# Altium PCB PCB.PcbDoc (part 5 of 10) (continued)
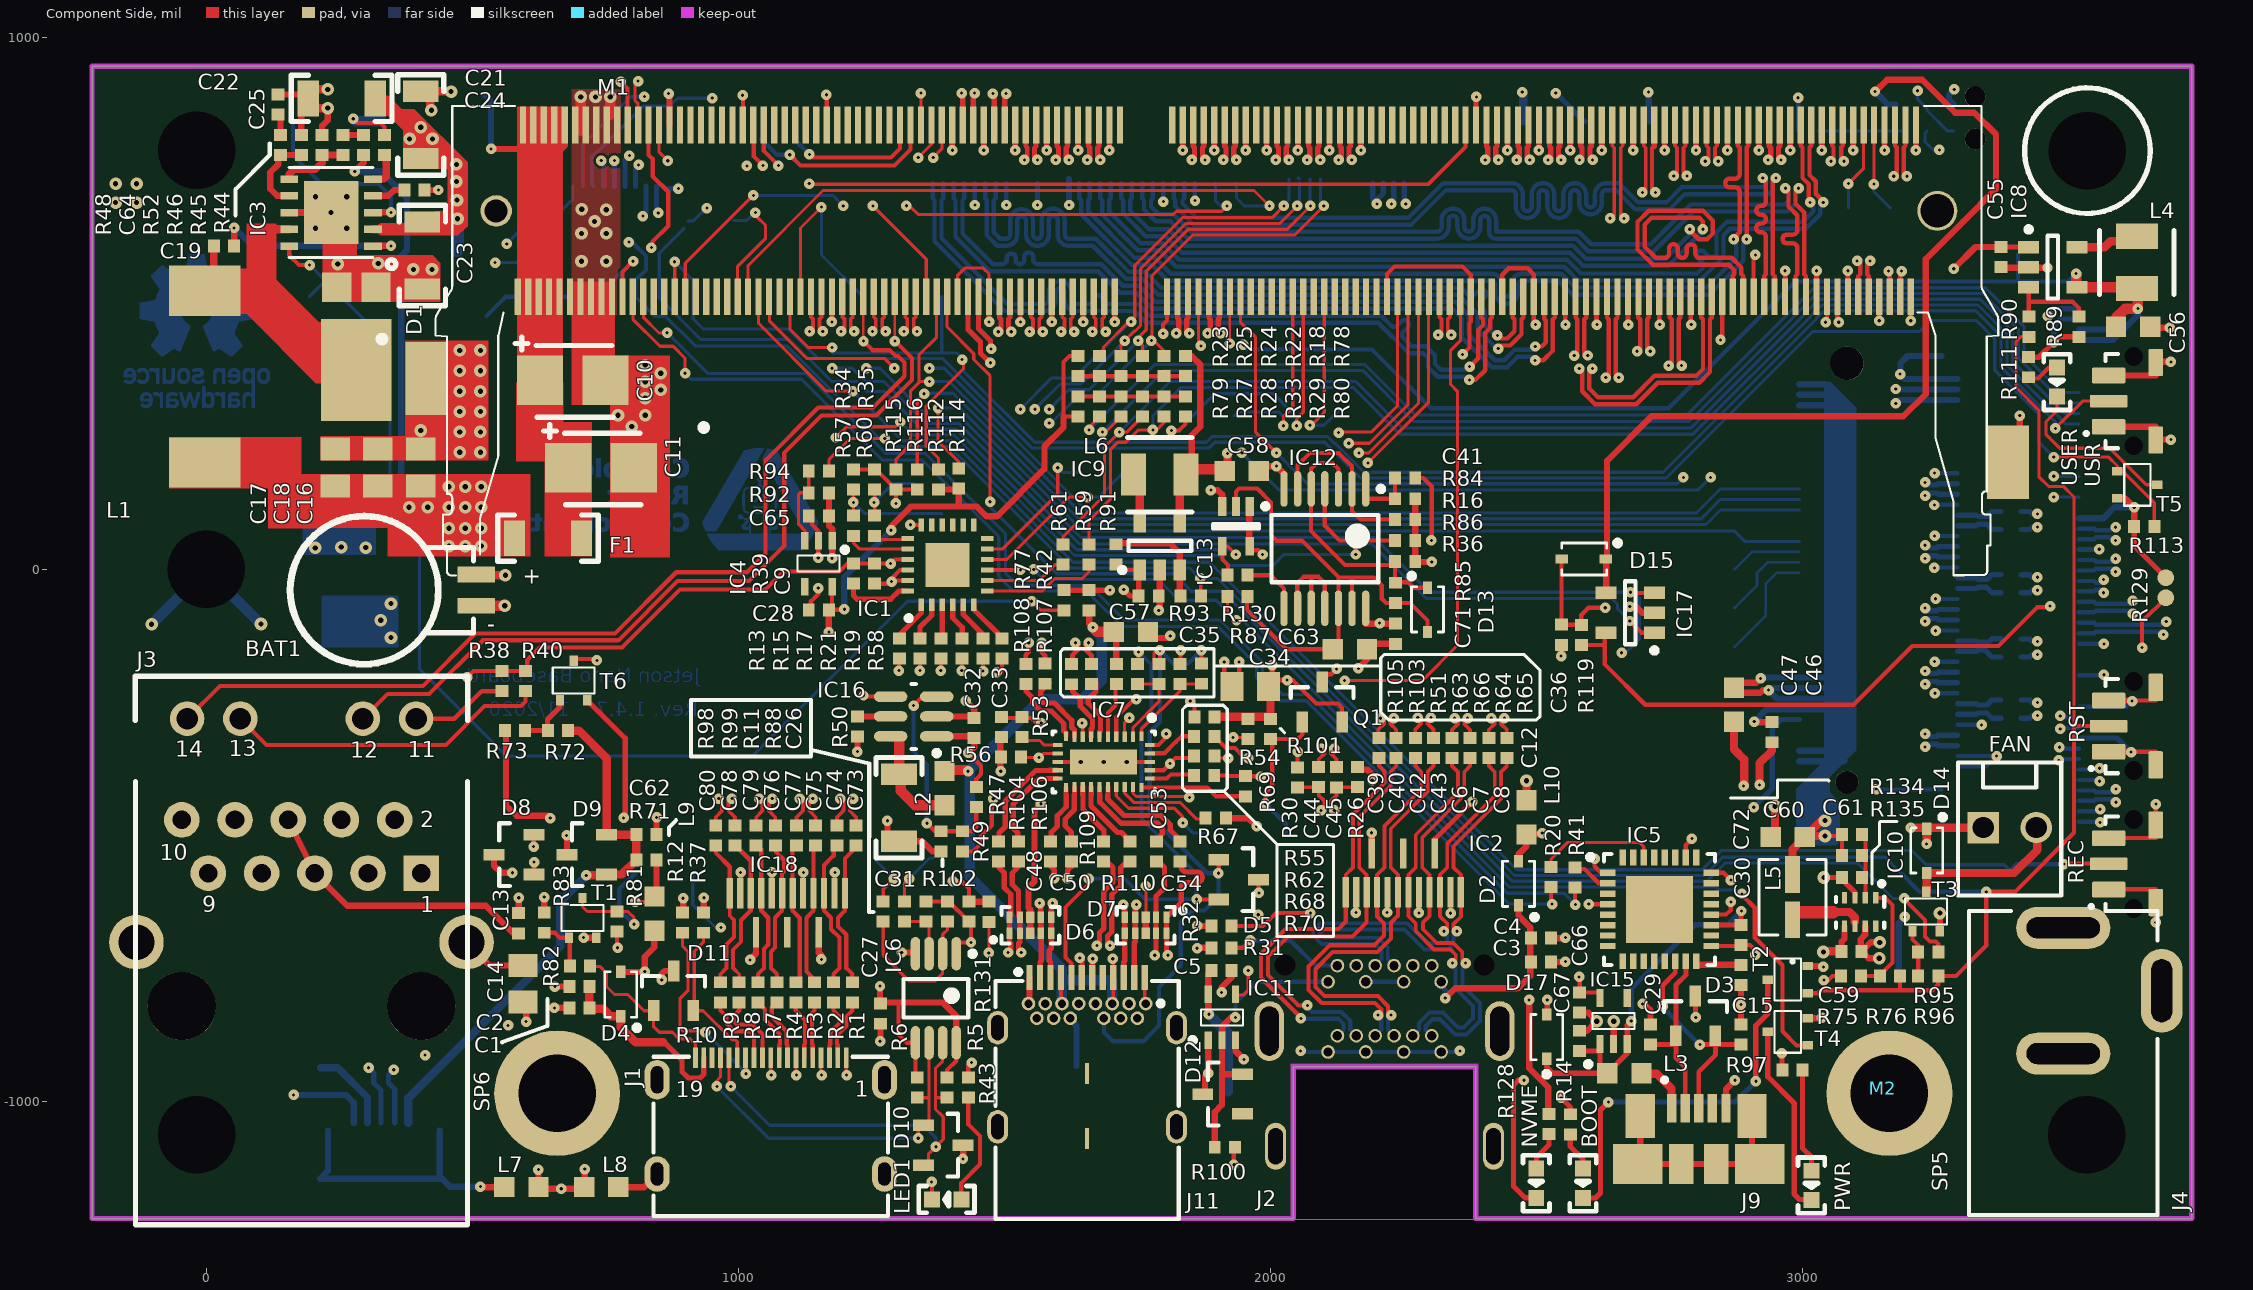
[diagram p0: Component Side view]
## Nets (pads, with @x,y where several pads share a name; then routed paths per layer and width w, separated by ;. In a path a pad name is that pad's centre, name@x,y a point inside that pad or via, vN(x,y) a via of type N, cw(c..) or ccw(c..) an arc to the next point about the centre after c; other vN are vias at no path point) (continued)
  Solder Side w9.84: C52.2@3410.51,-130.62 3427.22,-130.62 3431.97,-135.38 v1(3441.42,-135.38)
PCIE0_TX3_N: C70.2 M1.154 | length 2558.5
  Component Side w7.09: M1.154@1628.69,512.29 1628.69,474.25 1624.85,470.42 1624.85,453.33 v1(1631.15,447.03)
  Signal 2 w7.28: v1(1631.15,447.03) 1624.95,440.83 1624.95,431.27 1754.78,301.44 2061.48,301.44 2061.65,301.61 2087.01,301.61 2087.18,301.44 2131.2,301.44 2427.82,4.81 2464.23,4.81 cw(c2464.23,-13.5) 2482.54,-13.5 ccw(c2489.82,-13.5) 2489.82,-20.78 ccw(c2489.82,-13.5) 2497.11,-13.5 2497.11,10.91 cw(c2516.6,10.91) 2516.6,30.4 cw(c2516.6,10.91) 2536.08,10.91 2536.08,-13.5 ccw(c2543.37,-13.5) 2543.37,-20.78 ccw(c2543.37,-13.5) 2550.65,-13.5 2550.65,10.91 cw(c2570.14,10.91) 2570.14,30.4 cw(c2570.14,10.91) 2589.63,10.91 ccw(c2595.73,10.91) 2595.73,4.81 2972.47,4.81 3024.8,-47.52 3024.8,-132.7 3156.87,-264.77 3259.64,-264.77 3316.56,-207.86 3452.56,-207.86 3464.41,-219.71 3476.25,-231.54 3476.25,-255.04 3462.58,-268.71 3447.62,-268.71 v1(3441.42,-274.91)
  Solder Side w9.84: C70.2@3410.51,-279.67 3427.22,-279.67 3431.97,-274.91 v1(3441.42,-274.91)
PCIE0_TX3_P: C69.2 M1.156 | length 2558.5
  Component Side w7.09: v1(1606.55,447.03) 1612.84,453.33 1612.84,470.42 1609.01,474.25 M1.156@1609.01,512.29
  Signal 2 w7.28: v1(1606.55,447.03) 1612.75,440.83 1612.75,426.22 1749.73,289.23 2066.53,289.23 2066.7,289.41 2081.95,289.41 2082.12,289.23 2126.14,289.23 2422.77,-7.39 2464.23,-7.39 cw(c2464.23,-13.5) 2470.34,-13.5 ccw(c2489.82,-13.5) 2489.82,-32.98 ccw(c2489.82,-13.5) 2509.31,-13.5 2509.31,10.91 cw(c2516.6,10.91) 2516.6,18.2 cw(c2516.6,10.91) 2523.88,10.91 2523.88,-13.5 ccw(c2543.37,-13.5) 2543.37,-32.98 ccw(c2543.37,-13.5) 2562.86,-13.5 2562.86,10.91 cw(c2570.14,10.91) 2570.14,18.2 cw(c2570.14,10.91) 2577.42,10.91 ccw(c2595.73,10.91) 2595.73,-7.39 2967.28,-7.39 3012.6,-52.71 3012.6,-137.76 3151.82,-276.98 3264.69,-276.98 3320.57,-221.1 3358.53,-221.1 3365.81,-221.1 3373.1,-221.1 cw(c3373.1,-228.38) 3380.38,-228.38 3380.38,-230.65 ccw(c3387.66,-230.65) 3387.66,-237.93 ccw(c3387.66,-230.65) 3394.95,-230.65 3394.95,-228.38 cw(c3402.23,-228.38) 3402.23,-221.1 3448.55,-221.1 3464.04,-236.59 3464.04,-249.99 3457.52,-256.51 3447.62,-256.51 v1(3441.42,-250.31)
  Solder Side w9.84: C69.2@3410.51,-245.56 3427.22,-245.56 3431.97,-250.31 v1(3441.42,-250.31)
PCIE1_CLK_N: J10.5 M1.173 | length 1152.4
  Component Side w9.84: M1.173@1441.68,835.12 1441.68,892.77 v1(1444.14,895.23)
  Signal 3 w7.68: v1@761.1,774.14 v1(767.1,768.14) ; 761.1,777.83 761.1,794.06 757.41,797.75 746.03,809.12 684.83,809.12 671.34,822.62 671.34,839.02 683.2,850.89 1059.64,850.89 ccw(c1059.64,870.77) 1079.52,870.77 cw(c1087.2,870.77) 1087.2,878.44 cw(c1087.2,870.77) 1094.88,870.77 ccw(c1114.76,870.77) 1114.76,850.89 1171.45,850.89 ccw(c1171.45,870.77) 1191.33,870.77 cw(c1199.01,870.77) 1199.01,878.44 cw(c1199.01,870.77) 1206.69,870.77 ccw(c1226.57,870.77) 1226.57,850.89 ; 1227.36,850.89 ccw(c1227.36,870.77) 1247.24,870.77 cw(c1254.92,870.77) 1254.92,878.44 cw(c1254.92,870.77) 1262.59,870.77 ccw(c1282.48,870.77) 1282.48,850.89 1418.28,850.89 1438.14,870.75 1438.14,889.23 v1(1444.14,895.23)
  Solder Side w9.84: v1(767.1,768.14) 767.1,745.53 767.44,745.19 J10.5@767.44,720.24
PCIE1_CLK_P: J10.4 M1.175 | length 1158.1
  Component Side w9.84: v1(1419.54,895.23) 1422,892.77 M1.175@1422,835.12
  Signal 3 w7.68: v1(742.5,768.14) 748.5,774.14 748.5,788.84 740.81,796.53 679.61,796.53 658.74,817.4 658.74,844.24 677.99,863.48 810.47,863.48 1059.64,863.48 ccw(c1059.64,870.77) 1066.92,870.77 cw(c1087.2,870.77) 1087.2,891.04 cw(c1087.2,870.77) 1107.48,870.77 ccw(c1114.76,870.77) 1114.76,863.48 1171.45,863.48 ccw(c1171.45,870.77) 1178.74,870.77 cw(c1199.01,870.77) 1199.01,891.04 cw(c1199.01,870.77) 1219.29,870.77 ccw(c1226.57,870.77) 1226.57,863.48 ; 1227.36,863.48 ccw(c1227.36,870.77) 1234.64,870.77 cw(c1254.92,870.77) 1254.92,891.04 cw(c1254.92,870.77) 1275.19,870.77 ccw(c1282.48,870.77) 1282.48,863.48 1413.06,863.48 1425.54,875.96 1425.54,889.23 v1(1419.54,895.23)
  Solder Side w9.84: v1(742.5,768.14) 747.42,763.22 747.42,759.98 747.76,759.65 J10.4@747.76,720.24
PCIE1_CLKREQ: J10.3 M1.182 | length 975.7
  Component Side w6: v1(1253.08,683.08) 1353.1,583.06 M1.182@1353.1,512.29
  Signal 1 w6: v1(950.96,885.62) 950.96,823.52 v1(1016.25,758.23)
  Signal 3 w10: v1(1016.25,758.23) 1035.75,738.73 1119.11,738.73 1134.35,753.97 1182.19,753.97 v1(1253.08,683.08)
  Solder Side w6: J10.3@728.07,720.24 724.73,723.57 724.73,775.49 735.14,785.9 736.53,785.9 821.29,870.66 870.73,870.66 885.7,885.62 v1(950.96,885.62)
PCIE1_RST: J10.2 M1.183 | length 831.1
  Component Side w6: M1.183@1343.26,835.12 v1(1343.27,895.24)
  Signal 1 w6: v1@819.88,888.82 842.99,911.94 1170.89,911.94 1187.59,895.24 v1(1343.27,895.24)
  Solder Side w6: J10.2@708.39,720.24 708.39,799.39 797.42,888.42 v1(823.49,888.42)
PCIE1_RX0_N: J10.9 M1.167 | length 1111.3
  Component Side w9.84: M1.167@1500.74,835.12 1500.74,891.61 v1(1503.2,894.07)
  Signal 3 w7.68: v1(849.65,670.04) 844.32,675.38 844.32,688.99 852.63,697.3 866.25,710.92 866.25,742.77 848.73,760.3 848.73,786.96 870.53,808.76 887.32,808.76 cw(c887.32,801.08) 895,801.08 895,798.77 ccw(c902.68,798.77) 902.68,791.09 ccw(c902.68,798.77) 910.35,798.77 910.35,801.08 cw(c918.03,801.08) 918.03,808.76 1030.24,808.76 cw(c1030.24,801.48) 1037.53,801.48 ccw(c1057.8,801.48) 1078.08,801.48 cw(c1085.36,801.48) 1085.36,808.76 1150.85,808.76 cw(c1150.85,801.48) 1158.14,801.48 ccw(c1178.41,801.48) 1178.41,781.2 ccw(c1178.41,801.48) 1198.69,801.48 cw(c1205.97,801.48) 1205.97,808.76 ; 1206.76,808.76 cw(c1206.76,801.48) 1214.04,801.48 ccw(c1234.32,801.48) 1234.32,781.2 ccw(c1234.32,801.48) 1254.59,801.48 cw(c1261.88,801.48) 1261.88,808.76 ; 1262.66,808.76 cw(c1262.66,801.48) 1269.95,801.48 ccw(c1290.22,801.48) 1290.22,781.2 ccw(c1290.22,801.48) 1310.5,801.48 cw(c1317.78,801.48) 1317.78,808.76 1450.21,808.76 1497.2,855.75 1497.2,888.07 v1(1503.2,894.07)
  Solder Side w9.84: J10.9@846.18,720.24 846.18,673.52 v1(849.65,670.04)
PCIE1_RX0_P: J10.8 M1.169 | length 1111.3
  Component Side w9.84: v1(1478.59,894.07) 1481.05,891.61 M1.169@1481.05,835.12
  Signal 1 w7.28: v1(1478.59,894.07) 1484.14,894.07 v1@1484.79,894.73
  Signal 3 w7.68: v1(820.7,663.86) 831.05,674.2 831.05,693.54 853.65,716.14 853.65,737.56 836.13,755.08 836.13,792.18 843.72,799.77 865.31,821.36 918.03,821.36 1030.24,821.36 cw(c1030.24,801.48) 1050.13,801.48 ccw(c1057.8,801.48) 1065.48,801.48 cw(c1085.36,801.48) 1085.36,821.36 1150.85,821.36 cw(c1150.85,801.48) 1170.73,801.48 ccw(c1178.41,801.48) 1178.41,793.8 ccw(c1178.41,801.48) 1186.09,801.48 cw(c1205.97,801.48) 1205.97,821.36 ; 1206.76,821.36 cw(c1206.76,801.48) 1226.64,801.48 ccw(c1234.32,801.48) 1234.32,793.8 ccw(c1234.32,801.48) 1242,801.48 cw(c1261.88,801.48) 1261.88,821.36 ; 1262.66,821.36 cw(c1262.66,801.48) 1282.55,801.48 ccw(c1290.22,801.48) 1290.22,793.8 ccw(c1290.22,801.48) 1297.9,801.48 cw(c1317.78,801.48) 1317.78,821.36 1444.99,821.36 1484.6,860.96 1484.6,888.07 v1(1478.59,894.07)
  Solder Side w9.84: v1(820.7,663.86) 826.5,669.65 J10.8@826.5,720.24
PCIE1_TX0_N: J10.7 M1.172 | length 1132.1
  Component Side w9.84: M1.172@1451.53,512.29 1451.53,452.31 1474.23,429.6 1474.23,415.24 v1(1475.03,414.45)
  Signal 3 w7.68: v1(812.78,760.17) 792.75,740.14 792.75,665.5 822.22,636.04 824.48,636.04 ; 824.51,636.07 840.46,636.07 863.29,636.07 ccw(c863.29,643.75) 870.97,643.75 870.97,651.48 cw(c878.64,651.48) 878.64,659.15 cw(c878.64,651.48) 886.32,651.48 886.32,643.75 ccw(c894,643.75) 894,636.07 ccw(c894,643.75) 901.68,643.75 901.68,651.48 cw(c909.35,651.48) 909.35,659.15 cw(c909.35,651.48) 917.03,651.48 917.03,643.75 ccw(c924.71,643.75) 924.71,636.07 ccw(c924.71,643.75) 932.39,643.75 932.39,648.41 cw(c940.06,648.41) 940.06,656.09 cw(c940.06,648.41) 947.74,648.41 947.74,643.75 ccw(c955.42,643.75) 955.42,636.07 963.09,636.07 970.77,636.07 1226.33,636.07 1430.31,432.09 1457.38,432.09 v1(1475.03,414.45)
  Solder Side w9.84: J10.7@806.81,720.24 806.81,754.2 v1(812.78,760.17)
PCIE1_TX0_P: J10.6 M1.174 | length 1132.1
  Component Side w9.84: M1.174@1431.84,512.29 1431.84,451.11 1455.34,427.61 1455.34,406.29 1466.87,394.76 1467.2,394.76 v1(1473.67,388.3)
  Signal 3 w7.68: v1(795.38,777.57) 795.38,770.11 780.15,754.88 780.15,660.28 817,623.44 829.69,623.44 1221.11,623.47 1425.09,419.49 1442.47,419.49 v1(1473.67,388.3)
  Solder Side w9.84: J10.6@787.13,720.24 787.13,769.32 v1(795.38,777.57)
PEX_L0_CLKREQ_N: J8.52 M1.180 R115.1 | length 2133.4
  Component Side w5.91: R115.1@1296.33,187.9 1296.33,207 1323.33,234 1323.33,335 1339.33,351 ; v1(1359.33,353) 1341.33,353 1339.33,351 ; M1.180@1372.79,512.29 1372.79,436.46 1339.33,403 1339.33,351
  Solder Side w5.91: v1(1359.33,353) 1396.82,353 1654.65,95.17 2809.5,95.17 2845.71,131.38 J8.52@2994.02,131.38
PEX_L0_RST_N: J8.50 M1.181 R116.1 | length 2528.4
  Component Side w5.91: R116.1@1336.33,187.9 1336.33,317 v1(1349.33,330) ; v1(1338.33,774) 1362.94,798.62 M1.181@1362.94,835.12
  Signal 1 w5.91: v1(1338.33,774) 1338.33,777 1354.33,793 1372.38,793 1384.05,781.34 1384.05,780.29 1387.01,777.32 1387.01,761.68 1367.33,742 1367.33,399 1377.05,389.29 1377.05,332.72 1375.33,331 1350.33,331 v1(1349.33,330)
  Solder Side w5.91: v1(1349.33,330) 1350.33,331 1403.51,331 1650.16,84.35 2818.68,84.35 2846.02,111.69 J8.50@2994.02,111.69
PMIC_BBAT: BAT1.+ M1.235 | length 1032.7
  Component Side w7.87: M1.235@831.45,835.12 831.45,778.88 839.33,771 839.33,738.72 868.35,709.69 868.35,645.18 839.14,615.96
  Component Side w15.75: BAT1.+@507.33,-9.47 508.86,-11 v2(562.33,-11)
  Signal 2 w31.5: v2(562.33,-11) 562.33,268 839.33,545 v1@839.33,604.77
  other v1: 836.65,604.77
PWR_EN: IC13.4 M1.237 R130.1 TP27.1 | length 1989.7
  Component Side w5.91: v1(811.59,917.82) 805.77,912 805.77,881.08 811.76,875.1 M1.237@811.76,835.12 ; IC13.4@1909.74,43.6 1919.73,43.6 v1(1935.33,28)
  Component Side w7.87: IC13.4@1909.74,43.6 1909.74,18.59 1920.33,8 1920.33,-10.1 R130.1@1919.43,-11
  Signal 2 w5.91: v1(811.59,917.82) 805.77,912 805.77,800.35 861.91,744.22 861.91,700.25 883,679.15 v1(940.95,679.15)
  Solder Side w5.91: TP27.1@897.44,641.77 897.44,640.51 851.33,594.39 851.33,510.17 929.5,432 1096.33,432 1175.33,353 1223.33,353 1242.33,334 1274.33,334 1344.85,263.48 1409.78,263.48 1636.26,37 1926.33,37 v1(1935.33,28) ; TP27.1@905.61,654.69 915.21,654.69 v1@940.44,679.92
PWR_GOOD: IC3.10 R77.1 R87.1 T4.1 TP40.1 | length 4402.5
  Component Side w5.91: v1(1551.33,-60) 1568.23,-76.9 R77.1@1612.33,-76.9 ; R87.1@1919.43,-51 1919.43,-79.1 v1(1936.33,-96)
  Component Side w7.87: IC3.10@156,607.58 156,590.33 174.33,572 v1(194.33,572) ; v1(2886.33,-610) 2886.33,-612 2910.33,-636 2910.33,-692 2962.33,-744 2962.33,-868 2988.92,-894.59 T4.1@3009.73,-894.59
  Signal 1 w5.91: v1(1551.33,-60) 1555.33,-56 v1(1555.33,0)
  Solder Side w5.91: TP40.1@194.33,512 194.33,513 223.83,542.5 ; v1(194.33,572) 223.83,542.5 ; v1(1551.33,-60) 1317.9,-60 1027.33,-350.57 563.94,-350.57 401.1,-187.73 401.1,58.23 345.77,113.56 345.77,420.56 223.83,542.5 ; v1(1555.33,0) 1574.33,-19 1789.33,-19 1828.33,-58 1898.33,-58 v1(1936.33,-96) 1948.33,-96 2449.22,-596.89 2837.22,-596.89 2843.05,-602.71 2879.05,-602.71 v1(2886.33,-610)
Q: D13.C IC12.3 IC12.5 R36.1 R85.1 | length 508.3
  Component Side w7.87: IC12.3@2127.92,151.21 2127.92,188.41 2116.33,200 2087.33,200 2076.33,189 2076.33,151.62 IC12.5@2076.74,151.21 2076.33,150.8 2076.33,72 2140.33,8 2227.43,8 R36.1@2234.43,15 2234.43,-24.2 R85.1@2235.33,-25.1 2236.43,-24 2257.33,-24 2267.79,-34.46 D13.C@2295.33,-34.46
QDEL: C63.2 D13.A IC12.12 IC12.13 IC13.2 R85.2 R87.2 | length 980.2
  Component Side w7.87: IC13.2@1935.33,118.4 1935.33,146 1941.33,152 1975.33,152 2001.33,126 2001.33,64 2011.33,54 2059.33,54 2127.92,-14.59 IC12.12@2127.92,-73.2 2127.92,-139.32 C63.2@2117.24,-150 2030.33,-150 1956.33,-76 1956.33,-51.9 R87.2@1957.23,-51 ; 2127.92,-15 2153.33,-15 ; IC12.13@2153.51,-73.2 2153.51,-15.18 2153.33,-15 ; D13.A@2295.33,-117.53 2295.33,-96 2262.23,-62.9 R85.2@2235.33,-62.9 2217.23,-62.9 2209.33,-55 2209.33,-30 2194.33,-15 2153.33,-15
S\D\_\V\C\C\_\E\N\: M1.211
SHIELD: J9.S | length 418.2
  Component Side w11.81: J9.S@2695.12,-1026.97 2695.12,-1112.95 J9.S@2690.56,-1117.52 J9.S@2772.15,-1117.52 J9.S@2838.1,-1117.52 J9.S@2919.69,-1117.52 2905.12,-1102.95 J9.S@2905.12,-1026.97
SHIELD_OTG: J5.S L7.1 | length 541.9
  Component Side w11.81: v1(515.33,-1160) 516.33,-1161 L7.1@560.24,-1161
  Solder Side w11.81: J5.S@228.75,-1054.53 228.75,-1130.51 J5.S@214.18,-1145.08 J5.S@295.77,-1145.08 J5.S@361.72,-1145.08 J5.S@443.31,-1145.08 ; J5.S@438.86,-1054.64 J5.S@438.75,-1054.53 438.75,-1140.51 J5.S@443.31,-1145.08 ; v1(515.33,-1160) 458.23,-1160 J5.S@443.31,-1145.08
SN_WP: IC17.5 R119.2 R129.2 R132.1 | length 3050.7
  Component Side w7.87: R119.2@2584.33,-141.9 2628.56,-141.9 ; IC17.5@2630.12,-121.3 2628.56,-122.86 2628.56,-141.9 ; v1(3465.33,-69) 3463.33,-71 3441.33,-71 3368.33,-144 3206.33,-144 3095.99,-254.34 2803.78,-254.34 2704.45,-254.34 2628.56,-178.45 2628.56,-141.9 ; v1@3639.08,-146.25 v1(3638.33,-147) 3638.33,-98.04 R129.2@3682.9,-53.46
  Signal 1 w7.87: v1(3465.33,-69) 3528.33,-69 3608.33,-149 3636.33,-149 v1(3638.33,-147)
  Signal 2 w7.87: v1(2991.89,886.42) 3034.89,843.42 3343.18,843.42 3390.1,796.51 3390.1,715.89 3466.71,639.28 3549.41,639.28 3711.47,477.21 3711.47,-120.43 3684.9,-147 v1(3638.33,-147)
  Solder Side w7.87: v1@2989.06,889.25 v1(2991.89,886.42) R132.1@2991.89,824.82
TMDS_C1_CLK_N: C80.2 IC18.12 R10.1 | length 284.8
  Component Side w7.09: R10.1@966.29,-775.9 966.29,-760.75 978,-749.03 978,-704.99 992.1,-690.89 992.1,-659.11 984.01,-651.02 IC18.12@984.01,-608.78
  Component Side w7.87: C80.2@958.41,-516.26 957.85,-516.82 957.85,-532.64 984.01,-558.8 IC18.12@984.01,-608.78
TMDS_C1_CLK_P: C78.2 IC18.10 R9.1 | length 289.6
  Component Side w7.09: R9.1@1001.72,-775.9 1001.72,-760.75 990.01,-749.03 990.01,-714.94 1005.16,-699.79 1005.16,-659.64 1005.36,-659.44
  Component Side w7.87: C78.2@996.1,-516.26 996.1,-520.25 1023.38,-547.53 IC18.10@1023.38,-608.78 1023.38,-641.42 1005.36,-659.44
TMDS_C1_D0_N: C79.2 IC18.9 R8.1 | length 276.9
  Component Side w7.87: C79.2@1033.78,-516.26 1043.06,-525.54 IC18.9@1043.06,-608.78 1043.06,-641.42 1056.31,-654.67 1056.31,-705.32 1048.43,-713.2 1048.43,-749.43 1037.15,-760.71 R8.1@1037.15,-775.9
TMDS_C1_D0_P: C76.2 IC18.7 R7.1 | length 280.9
  Component Side w7.87: C76.2@1071.46,-516.26 1071.46,-531.75 1086.4,-546.68 1086.4,-567.17 1082.43,-571.14 IC18.7@1082.43,-608.78 1082.43,-641.42 1069.18,-654.67 1069.18,-710.66 1061.31,-718.53 1061.31,-749.43 1072.59,-760.71 R7.1@1072.59,-775.9
TMDS_C1_D1_N: C77.2 IC18.6 R4.1 | length 271.1
  Component Side w7.87: R4.1@1108.02,-775.9 1115.36,-768.56 1115.36,-654.67 1102.12,-641.42 IC18.6@1102.12,-608.78 1102.12,-523.29 C77.2@1109.15,-516.26
TMDS_C1_D1_P: C75.2 IC18.4 R3.1 | length 273.6
  Component Side w7.87: R3.1@1143.45,-775.9 1143.45,-771.14 1128.24,-755.92 1128.24,-654.67 1141.49,-641.42 IC18.4@1141.49,-608.78 1141.49,-521.6 C75.2@1146.83,-516.26
TMDS_C1_D2_N: C74.2 IC18.3 R2.1 | length 286
  Component Side w7.87: R2.1@1178.89,-775.9 1178.89,-760.71 1190.17,-749.43 1190.17,-692.01 1174.42,-676.26 1174.42,-654.67 1161.17,-641.42 IC18.3@1161.17,-608.78 1161.17,-556.11 1179.29,-537.99 1179.29,-521.48 C74.2@1184.51,-516.26
TMDS_C1_D2_P: C73.2 IC18.1 R1.1 | length 285.3
  Component Side w7.87: R1.1@1214.32,-775.9 1214.32,-760.71 1203.04,-749.43 1203.04,-686.68 1187.29,-670.93 1187.29,-654.67 1200.54,-641.42 IC18.1@1200.54,-608.78 1200.54,-543.07 1222.19,-521.41 C73.2@1222.19,-516.26
TMDS_CEC: M1.94 TP26.1 | length 2227.4
  Component Side w5.91: v1(2183.33,200) 2297.49,314.16 2297.49,511.79 M1.94@2297.98,512.29
  Signal 2 w5.91: v1(967.33,-673) 967.33,-667.7 984.01,-651.02 1299.31,-651.02 1407.33,-543 1407.33,-344 1604.33,-147 1604.33,-78 1728.79,46.46 2029.79,46.46 v1(2183.33,200)
  Solder Side w5.91: TP26.1@914.33,-571 914.33,-630.22 957.11,-673 v1(967.33,-673)
TMDS_CEC_IN: D11.2 J1.14 R37.1 | length 290.8
  Component Side w5.91: R37.1@934.33,-682.9 934.33,-701 917.33,-718 917.33,-827.8 D11.2@915.73,-829.4 933.73,-829.4 988.33,-884 994.33,-884 998.1,-887.77 J1.14@998.1,-917.79
TMDS_CLK_C_N: J1.12 R10.2 | length 147.3
  Component Side w7.87: R10.2@966.29,-813.7 966.29,-829.21 977.57,-840.49 977.57,-853.04 992.64,-868.11 1021.7,-868.11 1029.6,-876 J1.12@1029.6,-917.79
TMDS_CLK_C_P: J1.11 R9.2 | length 148.5
  Component Side w7.87: R9.2@1001.72,-813.7 1001.72,-829.21 990.44,-840.49 990.44,-847.7 997.97,-855.23 1027.04,-855.23 1045.34,-873.54 J1.11@1045.34,-917.79
TMDS_CLK_N: C80.1 M1.81 | length 2784.1
  Component Side w7.09: C80.1@957.64,-481.26 957.64,-465.75 969.62,-453.76 969.62,-437.2 v1(963.33,-430.9)
  Component Side w9.84: M1.81@2425.94,835.12 2425.93,795.25 2423.47,792.79 2423.47,774.58 v1(2428.4,769.66)
  Signal 2 w4.92: v1(963.33,-430.9) 970.71,-438.28 970.71,-443.3 961.41,-452.6 955.24,-452.6 945.17,-442.53 945.17,-398.05 ccw(c930.4,-398.05) 930.4,-383.29 920.56,-383.29 cw(c920.56,-378.37) 915.64,-378.37 cw(c920.56,-378.37) 920.56,-373.45 959.93,-373.45 ccw(c959.93,-358.68) 974.69,-358.68 ccw(c959.93,-358.68) 959.93,-343.92 950.09,-343.92 cw(c950.09,-339) 945.17,-339 945.17,-164.09 1001.4,-107.86 1001.4,483.17 1140.82,622.59 2317.61,622.59 2421.01,726 2421.01,762.28 v1(2428.4,769.66)
TMDS_CLK_P: C78.1 M1.83 | length 2816.8
  Component Side w7.09: v1(987.93,-430.9) 981.63,-437.2 981.63,-453.76 993.62,-465.75 C78.1@993.62,-481.26
  Component Side w9.84: v1(2403.79,769.66) 2408.71,774.58 2408.71,792.79 2406.25,795.25 M1.83@2406.25,835.12
  Signal 2 w4.92: v1(987.93,-430.9) 980.55,-438.28 980.55,-447.38 965.48,-462.44 951.17,-462.44 935.32,-446.6 935.32,-398.05 ccw(c930.4,-398.05) 930.4,-393.13 920.56,-393.13 cw(c920.56,-378.37) 905.8,-378.37 cw(c920.56,-378.37) 920.56,-363.6 959.93,-363.6 ccw(c959.93,-358.68) 964.85,-358.68 ccw(c959.93,-358.68) 959.93,-353.76 950.09,-353.76 cw(c950.09,-339) 935.32,-339 935.32,-160.02 991.56,-103.78 991.56,487.25 1136.74,632.43 2313.53,632.43 2411.17,730.08 2411.17,762.28 v1(2403.79,769.66)
TMDS_D0_C_N: J1.9 R8.2 | length 121.7
  Component Side w7.87: R8.2@1037.15,-813.7 1050.09,-826.64 1050.09,-845.7 1078.28,-873.88 1078.28,-892.34 1076.84,-893.78 J1.9@1076.84,-917.79
TMDS_D0_C_P: J1.8 R7.2 | length 120.3
  Component Side w7.87: R7.2@1072.59,-813.7 1062.97,-823.32 1062.97,-840.36 1091.15,-868.55 1091.15,-892.34 1092.59,-893.78 J1.8@1092.59,-917.79
TMDS_D0_N: C79.1 M1.75 | length 2780.9
  Component Side w7.09: C79.1@1033.6,-481.26 1033.6,-465.75 1045.58,-453.76 1045.58,-437.2 v1(1039.28,-430.9)
  Component Side w9.84: M1.75@2484.99,835.12 2484.99,795.25 2482.53,792.79 2482.53,774.58 v1(2487.45,769.66)
  Signal 2 w4.92: v1(1039.28,-430.9) 1046.66,-438.28 1046.66,-443.3 1037.36,-452.6 1031.2,-452.6 1021.12,-442.53 1021.12,-387.35 1021.12,-319.23 ccw(c1006.36,-319.23) 1006.36,-304.47 974.63,-304.47 cw(c974.63,-299.55) 969.71,-299.55 cw(c974.63,-299.55) 974.63,-294.63 1006.36,-294.63 ccw(c1006.36,-279.86) 1021.12,-279.86 1021.12,-138.74 1040.01,-119.85 1040.01,422.22 1040.01,479.41 1158.8,598.2 2353.77,598.2 2480.07,724.5 2480.07,762.28 v1(2487.45,769.66)
TMDS_D0_P: C76.1 M1.77 | length 2813.7
  Component Side w7.09: v1(1063.89,-430.9) 1057.59,-437.2 1057.59,-453.76 1069.57,-465.75 C76.1@1069.57,-481.26
  Component Side w9.84: v1(2462.84,769.66) 2467.77,774.58 2467.77,792.79 2465.3,795.25 M1.77@2465.31,835.12
  Signal 2 w4.92: v1(1063.89,-430.9) 1056.51,-438.28 1056.51,-447.38 1041.44,-462.44 1027.12,-462.44 1011.28,-446.6 1011.28,-391.42 1011.28,-319.23 ccw(c1006.36,-319.23) 1006.36,-314.31 974.63,-314.31 cw(c974.63,-299.55) 959.87,-299.55 cw(c974.63,-299.55) 974.63,-284.78 1006.36,-284.78 ccw(c1006.36,-279.86) 1011.28,-279.86 1011.28,-134.66 1030.17,-115.78 1030.17,483.48 1034.7,488.02 1034.7,488.22 1154.52,608.04 2349.69,608.04 2470.23,728.58 2470.23,762.28 v1(2462.84,769.66)
TMDS_D1_C_N: J1.6 R4.2 | length 111.9
  Component Side w7.87: R4.2@1108.02,-813.7 1108.02,-829.21 1125.52,-846.72 1125.52,-892.34 1124.08,-893.78 J1.6@1124.08,-917.79
TMDS_D1_C_P: J1.5 R3.2 | length 106.8
  Component Side w7.87: J1.5@1139.83,-917.79 1139.83,-893.78 1138.4,-892.34 1138.4,-834.27 1143.45,-829.21 R3.2@1143.45,-813.7
TMDS_D1_N: C77.1 M1.69 | length 2779
  Component Side w7.09: C77.1@1109.55,-481.26 1109.55,-465.75 1121.54,-453.76 1121.54,-437.2 v1(1115.24,-430.9)
  Component Side w9.84: M1.69@2544.05,835.12 2544.04,795.25 2541.58,792.79 2541.58,774.58 v1(2546.51,769.66)
  Signal 2 w4.92: v1(1115.24,-430.9) 1122.62,-438.28 1122.62,-443.3 1113.32,-452.6 1107.15,-452.6 1097.08,-442.53 1097.08,-381.79 ccw(c1082.31,-381.79) 1082.31,-367.02 1071.78,-367.02 cw(c1071.78,-362.1) 1066.86,-362.1 cw(c1071.78,-362.1) 1071.78,-357.18 1082.31,-357.18 ccw(c1082.31,-342.41) 1097.08,-342.41 1097.08,-143.67 1073.29,-119.88 1073.29,473 1174.88,574.59 2417.14,574.59 2539.12,696.57 2539.12,762.28 v1(2546.51,769.66)
TMDS_D1_P: C75.1 M1.71 | length 2811.6
  Component Side w7.09: v1(1139.84,-430.9) 1133.54,-437.2 1133.54,-453.76 1145.53,-465.75 C75.1@1145.53,-481.26
  Component Side w9.84: v1(2521.9,769.66) 2526.82,774.58 2526.82,792.79 2524.36,795.25 M1.71@2524.36,835.12
  Signal 2 w4.92: v1(1139.84,-430.9) 1132.46,-438.28 1132.46,-447.38 1117.39,-462.44 1103.08,-462.44 1087.24,-446.6 1087.24,-381.79 ccw(c1082.31,-381.79) 1082.31,-376.86 1071.78,-376.86 cw(c1071.78,-362.1) 1057.02,-362.1 cw(c1071.78,-362.1) 1071.78,-347.34 1082.31,-347.34 ccw(c1082.31,-342.41) 1087.24,-342.41 1087.24,-147.75 1063.45,-123.96 1063.45,477.08 1170.8,584.43 2413.06,584.43 2529.28,700.65 2529.28,762.28 v1(2521.9,769.66)
TMDS_D2_C_N: J1.3 R2.2 | length 116.8
  Component Side w7.87: J1.3@1171.33,-917.79 1171.33,-893.78 1172.77,-892.34 1172.77,-870.14 1190.4,-852.5 1190.4,-840.73 1178.89,-829.21 R2.2@1178.89,-813.7
TMDS_D2_C_P: J1.2 R1.2 | length 116.6
  Component Side w7.87: J1.2@1187.08,-917.79 1187.08,-893.78 1185.64,-892.34 1185.64,-875.47 1203.28,-857.83 1203.28,-840.26 1214.32,-829.21 R1.2@1214.32,-813.7
TMDS_D2_N: C74.1 M1.63 | length 2779.5
  Component Side w7.09: C74.1@1185.51,-481.26 1185.51,-465.75 1197.49,-453.76 1197.49,-437.2 v1(1191.19,-430.9)
  Component Side w9.84: M1.63@2603.1,835.12 2603.1,795.25 2600.64,792.79 2600.64,774.58 v1(2605.56,769.66)
  Signal 2 w4.92: v1(1191.19,-430.9) 1198.57,-438.28 1198.57,-443.3 1189.27,-452.6 1183.11,-452.6 1173.03,-442.53 1173.03,-169.95 1107.93,-104.85 1107.93,405.26 1107.93,467.32 1190.72,550.1 2461.65,550.1 2598.18,686.63 2598.18,762.28 v1(2605.56,769.66)
TMDS_D2_P: C73.1 M1.65 | length 2812.1
  Component Side w7.09: v1(1215.8,-430.9) 1209.5,-437.2 1209.5,-453.76 1221.48,-465.75 C73.1@1221.48,-481.26
  Component Side w9.84: v1(2580.95,769.66) 2585.88,774.58 2585.88,792.79 2583.41,795.25 M1.65@2583.42,835.12
  Signal 2 w4.92: v1(1215.8,-430.9) 1208.42,-438.28 1208.42,-447.38 1193.35,-462.44 1179.03,-462.44 1163.19,-446.6 1163.19,-174.03 1098.09,-108.92 1098.09,471.4 1186.64,559.95 2457.58,559.95 2588.34,690.7 2588.34,762.28 v1(2580.95,769.66)
TMDS_HPD: M1.96 R81.2 T1.3 TP25.1 | length 2499.9
  Component Side w5.91: T1.3@707.33,-617.6 707.33,-634 716.33,-643 792.33,-643 804.33,-655 v1(804.33,-667) ; v1(2166.33,219) 2185.33,219 2278.3,311.97 M1.96@2278.3,512.29
  Signal 2 w5.91: v1(804.33,-667) 831.33,-640 1292.33,-640 1396.5,-535.83 1396.5,-339.51 1590.33,-145.69 1590.33,-76.69 1724.3,57.29 2022.61,57.29 2161.33,196 2161.33,214 v1(2166.33,219)
  Solder Side w7.87: v1(804.33,-667) 776.33,-639 776.33,-600.98 TP25.1@806.33,-570.98
TMDS_HPD_IN: D11.1 J1.19 R82.1 | length 317.1
  Component Side w5.91: R82.1@721.23,-745 722.23,-746 739.33,-746 752.33,-759 752.33,-784 767.33,-799 792.33,-799 822.73,-829.4 D11.1@840.93,-829.4 840.93,-859.6 851.33,-870 876.33,-870 888.33,-882 909.33,-882 919.36,-892.03 J1.19@919.36,-917.79
TMDS_SCL: M1.100 R98.2 TP33.1 | length 1796
  Component Side w5.91: R98.2@1272.33,-624.1 1272.33,-601 v1(1292.33,-581) ; v1(2128.33,257) 2129.33,258 2189.33,258 2238.93,307.6 M1.100@2238.93,512.29
  Signal 2 w5.91: v1(1292.33,-581) 1374.85,-498.48 1374.85,-330.54 1505.56,-199.83 1505.56,-130.83 1715.98,79.58 2008.91,79.58 2110.33,181 2110.33,239 v1(2128.33,257)
  Solder Side w5.91: TP33.1@1258.78,-542.38 1258.78,-547.45 v1(1292.33,-581)
TMDS_SCL_5V0: D10.2 IC6.7 J1.15 R5.2 | length 776.9
  Component Side w5.91: J1.15@982.35,-917.79 982.35,-968.2 v1(985.88,-971.73) ; D10.2@1347.93,-1119.4 1357.33,-1110 1357.33,-1099 v1(1371.33,-1085) 1385.33,-1071 1385.33,-1029 1370.33,-1014 1370.33,-993 ; IC6.7@1384.12,-889.66 1384.12,-924.2 1370.33,-938 1370.33,-993 ; R5.2@1392.33,-992.9 1370.43,-992.9 1370.33,-993
  Solder Side w5.91: v1(985.88,-971.73) 1058.75,-1044.6 1347.93,-1044.6 1371.33,-1068 v1(1371.33,-1085)
TMDS_SDA: M1.98 R99.2 TP34.1 | length 1784.5
  Component Side w5.91: R99.2@1312.58,-624.1 1312.58,-589.75 v1(1321.33,-581) ; v1(2147.33,237) 2186.33,237 2258.61,309.28 M1.98@2258.61,512.29
  Signal 2 w5.91: v1(1321.33,-581) 1385.68,-516.65 1385.68,-335.03 1517.33,-203.38 1517.33,-134.38 1720.46,68.76 2016.08,68.76 2137.33,190 2137.33,227 v1(2147.33,237)
  Solder Side w5.91: v1(1321.33,-581) 1359.97,-542.36 TP34.1@1365.58,-542.36
TMDS_SDA_5V0: D10.1 IC6.6 J1.16 R6.2 | length 681.8
  Component Side w5.91: 958.99,-961.41 966.6,-953.8 J1.16@966.6,-917.79 ; R6.2@1336.33,-992.9 1336.33,-993 1358.53,-993 ; v1(1338.33,-1069) 1338.33,-1054.2 D10.1@1347.93,-1044.6 1358.53,-1044.6 1358.53,-993 ; IC6.6@1358.53,-889.66 1358.53,-993
  Solder Side w5.91: v1(959.81,-971.73) 1057.08,-1069 v1(1338.33,-1069)